# Altium PCB EinsyRetro.PcbDoc (part 1 of 5) (continued)
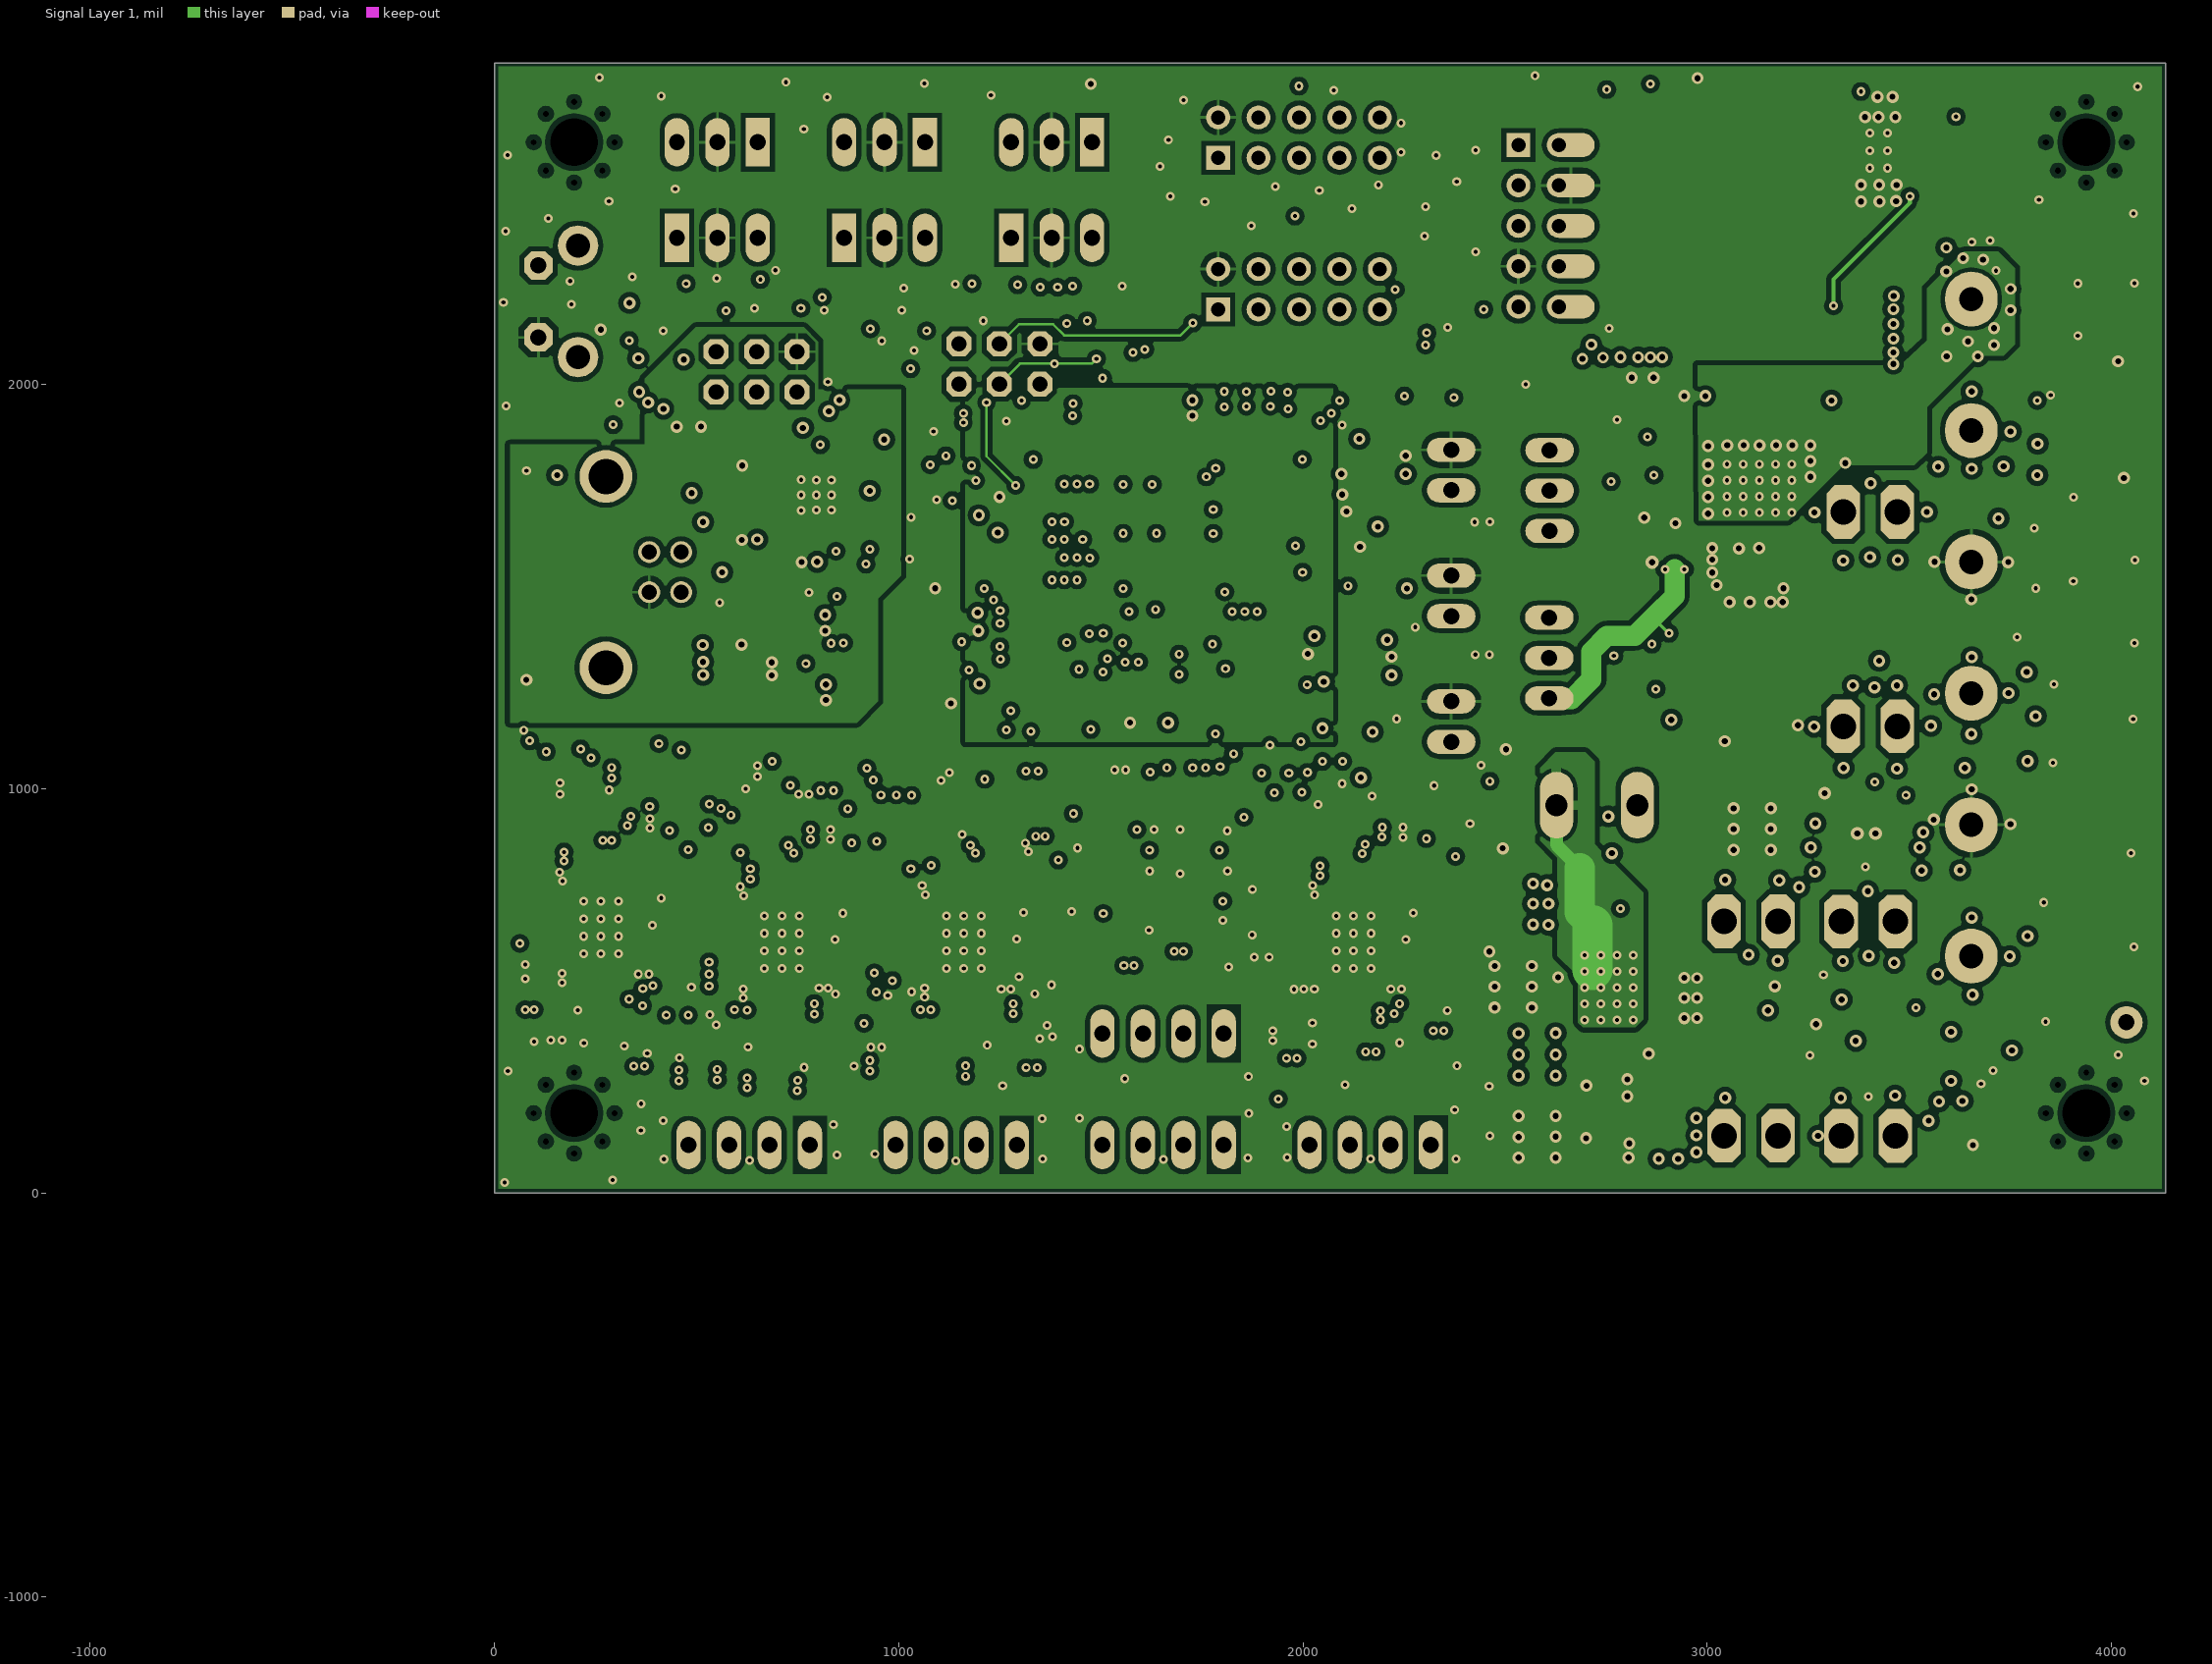
[diagram p3: Signal Layer 1]
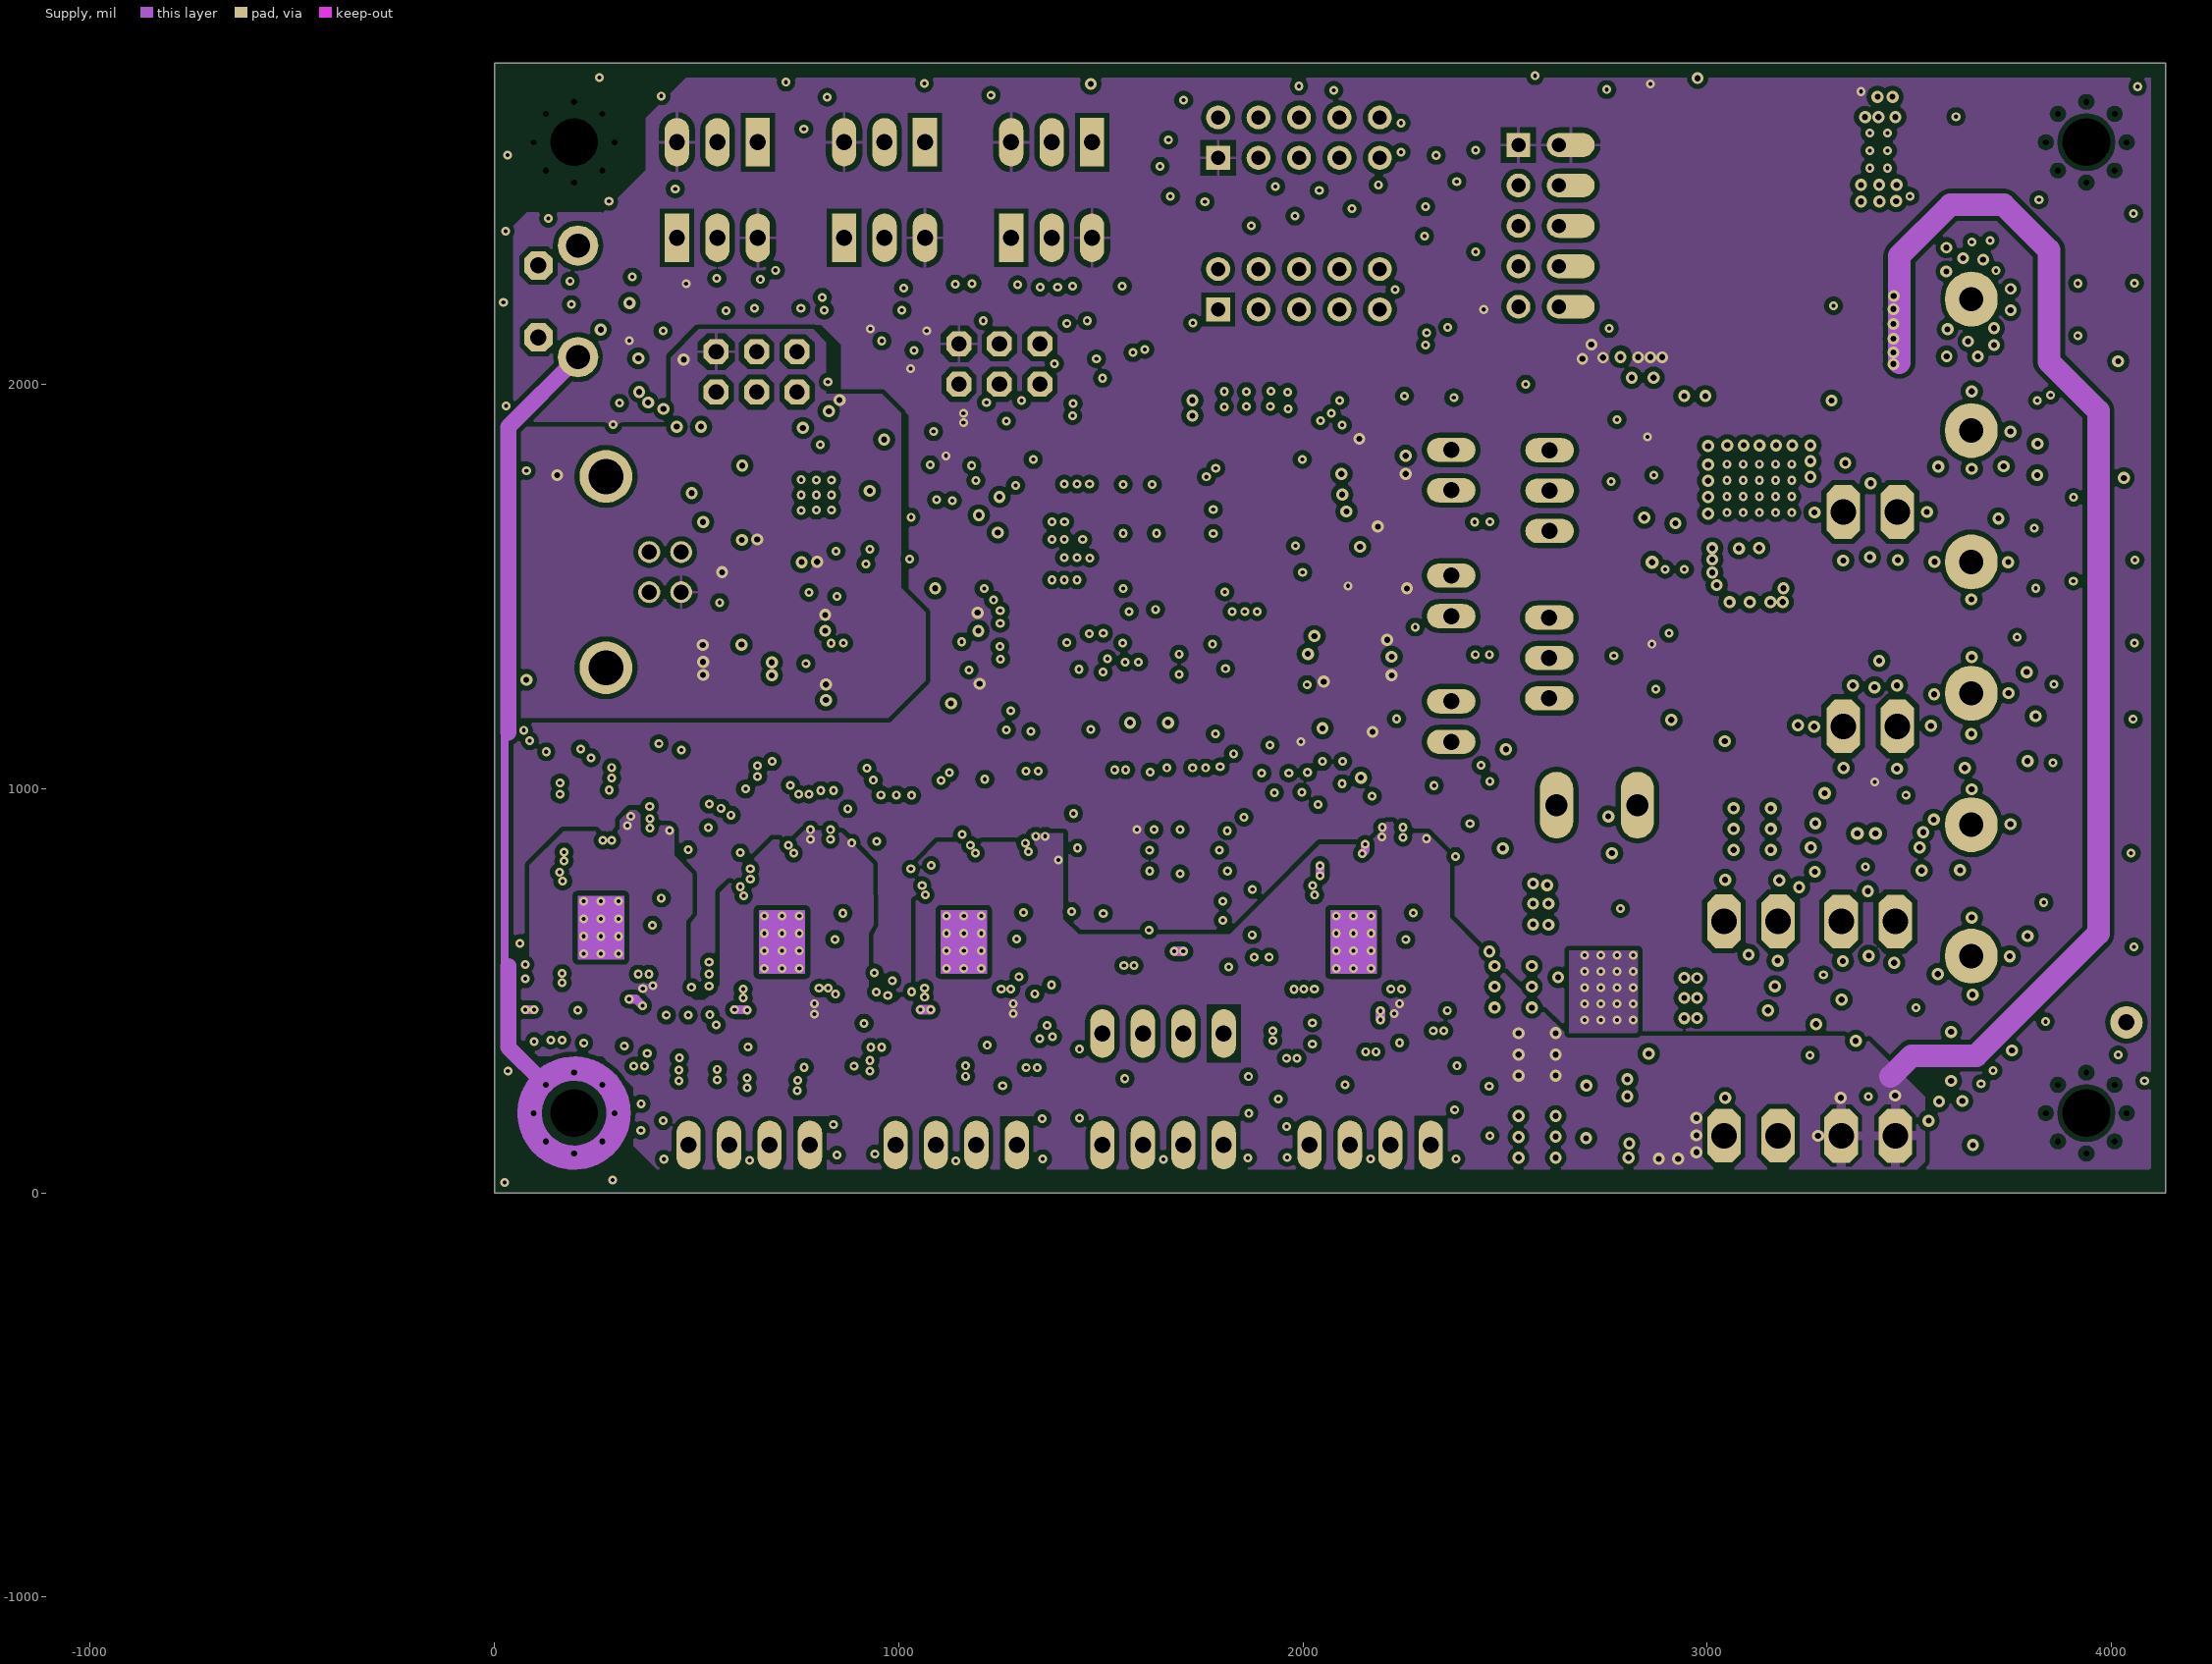
[diagram p4: Supply]
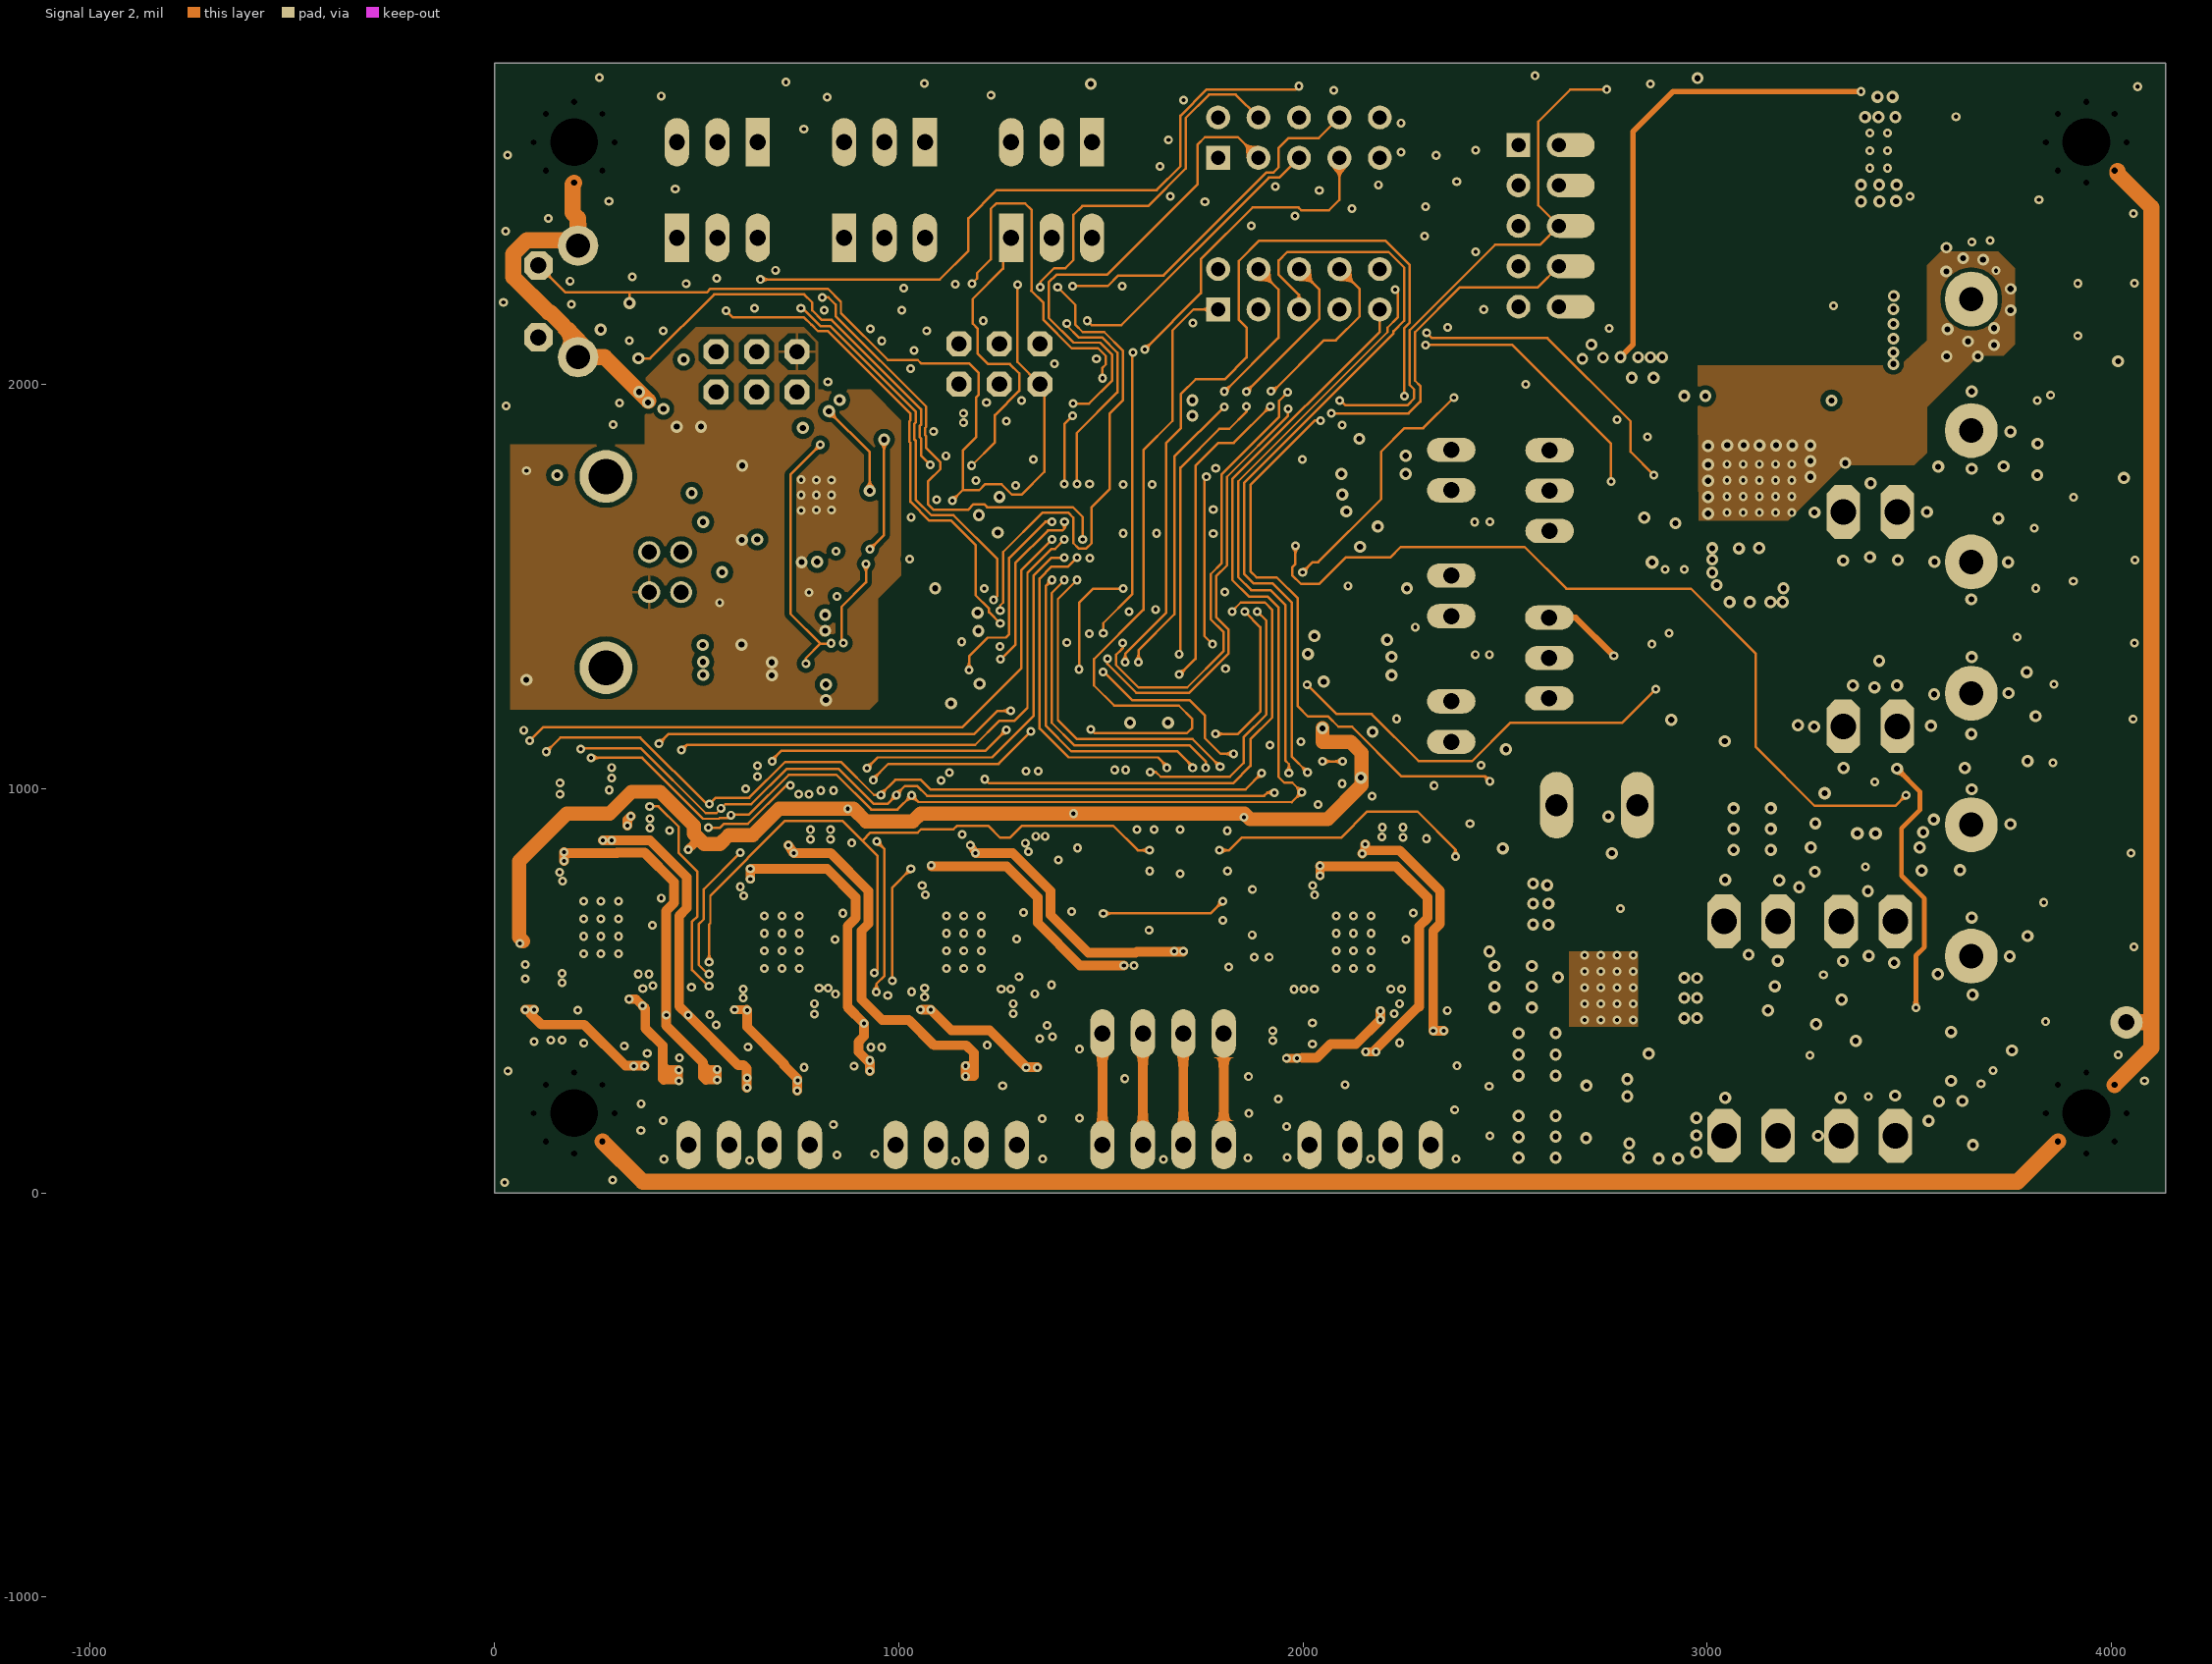
[diagram p5: Signal Layer 2]

## Layer stack, top to bottom
Top Solder: solder mask 0.472, Solder Resist, Dk 3.5
Top: signal copper 2.8
Dielectric 1: prepreg 4.321, FR-4, Dk 4.2
GND: plane copper 1.2, net (Multiple Nets)
Dielectric 5: core 15.768, Dk 4.2
Signal Layer 1: signal copper 1.2
Dielectric 2: prepreg 11.28, FR-4, Dk 4.2
Supply: signal copper 1.2
Dielectric 3: core 15.748, FR-4, Dk 4.2
Signal Layer 2: signal copper 1.2
Dielectric 4: prepreg 4.321, Dk 4.2
Bottom: signal copper 2.8
Bottom Solder: solder mask 0.472, Solder Resist, Dk 3.5

## Board outline
0,0 4134,0 4134,2795 0,2795

## Design rules (kind name [scope] priority, off if disabled: settings)
AcuteAngle [All] p1: minimum=6.00000000000000E+0001 checktracksonly=FALSE
Clearance "Internal Layer Polygon" [(OnLayer('Signal Layer 1') OR OnLayer('Supply') OR OnLayer('Signal Layer 2'))] p1: gap=12 ignorepadtopadclearanceinfootprint=FALSE except(7: Arc-Arc Arc-Track Arc-SMDPad Arc-THPad Arc-Via Track-Track Track-SMDPad Track-THPad Track-Via SMDPad-SMDPad SMDPad-THPad SMDPad-Via SMDPad-Fill SMDPad-Poly SMDPad-Region THPad-THPad THPad-Via Via-Via)
Clearance fiducial [InComponentClass('Fiducials')] p2: gap=7 ignorepadtopadclearanceinfootprint=FALSE except(0: Arc-Hole Track-Hole SMDPad-Hole THPad-Hole Via-Hole Fill-Hole Poly-Hole Region-Hole Text-Hole; 20: SMDPad-Poly)
Clearance "Polygon Clearance" [InPolygon] p3: gap=8 ignorepadtopadclearanceinfootprint=FALSE except(0: Arc-Hole Track-Hole SMDPad-Hole THPad-Hole Via-Hole Fill-Hole Poly-Hole Region-Hole Text-Hole; 10: Fill-Fill Fill-Poly Fill-Region Poly-Poly Poly-Region Region-Region)
Clearance Clearance_1 [All] p4: gap=8 ignorepadtopadclearanceinfootprint=FALSE
ComponentClearance ComponentClearance_Connectors [InComponentClass('Connectors')] p1 off: gap=10 collisioncheckmode=3 verticalgap=10 showdistances=FALSE
ComponentClearance [All] p2 off: gap=10 collisioncheckmode=3 verticalgap=10 showdistances=FALSE
HoleSize [All] p1: absolutevalues=TRUE maxlimit=100000 minlimit=7.87 maxpercent=80.000 minpercent=20.000
HoleToHoleClearance [All] p1: gap=8 allowstackedmicrovias=TRUE
MinimumAnnularRing [All] p1: minimumring=6
MinimumSolderMaskSliver [All] p1: minsoldermaskwidth=4
PasteMaskExpansion [All] p1: expansion=-1
PlaneClearance [All] p1: clearance=12
PlaneConnect PowerPlaneConnect+12V [InNet('+12V')] p1: planeconnectstyle=Relief reliefexpansion=20 reliefentries=4 reliefconductorwidth=24 reliefairgap=10
PlaneConnect PlaneConnect_Via [IsVia] p2: planeconnectstyle=Direct reliefexpansion=20 reliefentries=4 reliefconductorwidth=10 reliefairgap=10
PlaneConnect PowerPlaneConnect [All] p3: planeconnectstyle=Relief reliefexpansion=12 reliefentries=4 reliefconductorwidth=8 reliefairgap=12
PlaneConnect [All] p4: planeconnectstyle=Relief reliefexpansion=20 reliefentries=4 reliefconductorwidth=20 reliefairgap=10
PolygonConnect ThermalVias [IsVia] p1: connectstyle=Direct reliefconductorwidth=10 reliefentries=4 polygonreliefangle="90 Angle" airgapwidth=10
PolygonConnect PolygonConnect_no_connect [(IsNamedPolygon('No Connect')) OR (InNet('+12V2') and OnLayer('Top')  and InComponent('F2'))] p2: connectstyle=NoConnect reliefconductorwidth=24 reliefentries=4 polygonreliefangle="90 Angle" airgapwidth=10
PolygonConnect "Direct Connect" [(IsNamedPolygon('Direct Connect')) OR (IsNamedPolygon('No Connect')) OR InComponent('R13')  Or InComponent('D9') Or InComponent('L1') Or InComponent('C45') Or InComponent('U3') Or InComponent('C35') Or InComponent('R24') Or InComponent('D2') Or InComponent('D7') Or InComponent('D8') Or InComponent('Q1') Or InComponent('Q5') Or InComponent('D6') Or InComponent('D10') Or InComponent('C40') Or InComponent('D8')  Or InComponent('F5')  Or InComponent('FB1') Or InComponent('FB2') Or InComponent('L2') Or InComponent('Q3') Or InComponent('C17') Or InComponent('C25')] p3: connectstyle=Direct reliefconductorwidth=10 reliefentries=4 polygonreliefangle="90 Angle" airgapwidth=10
PolygonConnect "PolygonConnect_24 mil" [InNet('NetD6_A') OR  InNet('+12V2') OR InComponent('C54')   OR InNet('VMOT')     OR (IsNamedPolygon('Direct Connect')) Or InNet('12V-IN')] p4: connectstyle=Relief reliefconductorwidth=24 reliefentries=4 polygonreliefangle="90 Angle" airgapwidth=10
PolygonConnect "PolygonConnect_Bot 50mil" [InNet('+12V3') Or InNet('NetF3_1') Or InComponent('X10') Or (IsNamedPolygon('Direct Connect')) vs OnLayer('Bottom')] p5: connectstyle=Relief reliefconductorwidth=50 reliefentries=4 polygonreliefangle="90 Angle" airgapwidth=10
PolygonConnect PolygonConnect_50mil [InNet('Netd10_a')  Or (IsNamedPolygon('Direct Connect'))] p6: connectstyle=Relief reliefconductorwidth=50 reliefentries=4 polygonreliefangle="90 Angle" airgapwidth=10
PolygonConnect "Internal GND" [OnMid] p7: connectstyle=Relief reliefconductorwidth=8 reliefentries=4 polygonreliefangle="90 Angle" airgapwidth=14
PolygonConnect [All] p8: connectstyle=Relief reliefconductorwidth=10 reliefentries=4 polygonreliefangle="90 Angle" airgapwidth=10
RoutingVias [All] p1: holewidth=15 width=30 viastyle="Through Hole" minholewidth=10 minwidth=22 maxholewidth=15 maxwidth=32
SMDToCorner [All] p1: distance=30000
ShortCircuit bot_entry_header [InPadClass('NPTH_bot') vs InPadClass('top_smt_bot')] p1: allowed=TRUE
ShortCircuit [All] p2: allowed=FALSE
SilkToSilkClearance [All] p1 off: silktosilkclearance=10
SilkToSolderMaskClearance [IsPad] p1 off: minsilkscreentomaskgap=10 clearancetoexposedcopper=TRUE
SolderMaskExpansion SolderMaskExpansion_Via [IsVia] p1: expansion=-15
SolderMaskExpansion [All] p2: expansion=2
Width [All] p1: maxlimit=1000 minlimit=6 preferedwidth=24 toplayer_prefwidth=8 midlayer2_prefwidth=10 midlayer3_prefwidth=10 bottomlayer_prefwidth=8 minimp=50.000000 maximp=50.000000 favimp=50.000000
20 further rules are at their usual default settings.

## Classes and differential pairs
component class Fiducials: FID1 FID2 FID3
component class Power-SMPS: C17 C25 C27 C30 C35 C40 C60 C62 C86 C87 C88 C89 C103 D7 D8 F2 F3 FB2 FB4 H1 H2 H3 H4 J1 JP2 R3 R11 TP8 TP32 TP66 TP67 TP68 TP69
